# Altium PCB BluePillPcb.PcbDoc (continued)
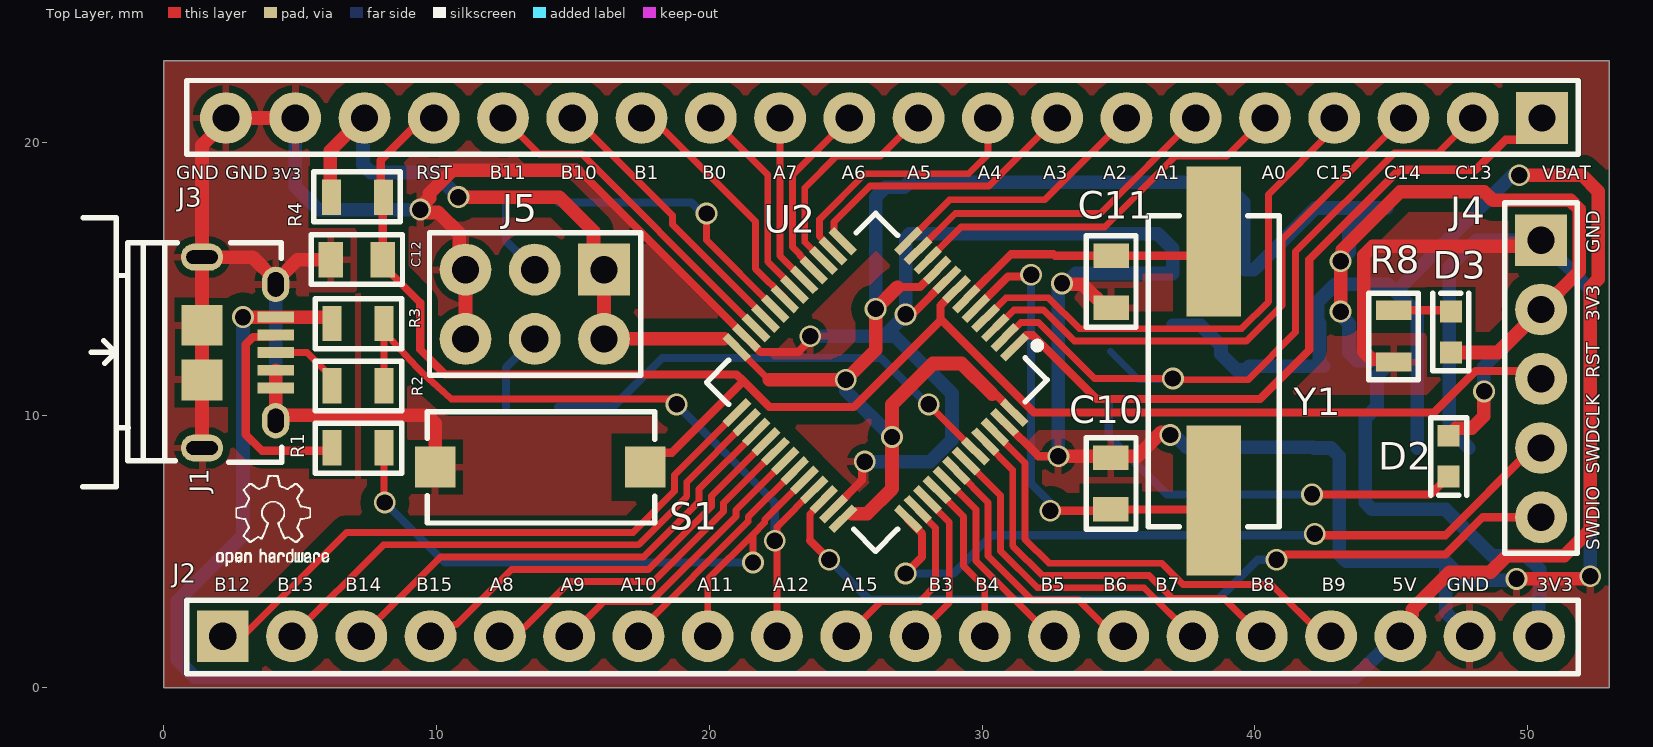
[diagram p0: Top Layer view]
## Part data (continued)
J5: "HARWIN - M20-9980345 - Board-To-Board Connector, Vertical, 2.54 mm, 6 Contacts, Header, M20 Series, Through Hole, 2 Rows", Color=Black, Contact Resistance=25mR, Current Rating=3A, Insulation Resistance=10GR, Manufacturer=Harwin, Manufacturer Part Number=M20-9980345, Max Operating Temperature=105°C, Min Operating Temperature=-40°C, Package Quantity=1000, Supplier Part Number 1=952-2120-ND, Category="Headers and Wire Housings", ComponentLink1Description=https://datasheet.ciiva.com/6789/91635-6789923.pdf?src-supplier=Newark, ComponentLink1URL=https://datasheet.ciiva.com/6789/91635-6789923.pdf?src-supplier=Newark, ComponentLink2Description=https://datasheet.ciiva.com/11746/0900766b80da602b-11746662.pdf?src-supplier=RSComponents, ComponentLink2URL=https://datasheet.ciiva.com/11746/0900766b80da602b-11746662.pdf?src-supplier=RSComponents, ComponentLink3Description=https://datasheet.ciiva.com/26852/getdatasheetpartid-420465-26852189.pdf?src-supplier=Verical, ComponentLink3URL=https://datasheet.ciiva.com/26852/getdatasheetpartid-420465-26852189.pdf?src-supplier=Verical, ComponentLink4Description=https://datasheet.ciiva.com/6830/m20-998-6830775.pdf?src-supplier=Digi-Key, ComponentLink4URL=https://datasheet.ciiva.com/6830/m20-998-6830775.pdf?src-supplier=Digi-Key, ComponentLink5Description=https://datasheet.ciiva.com/8046/112195-8046904.pdf?src-supplier=Element14, ComponentLink5URL=https://datasheet.ciiva.com/8046/112195-8046904.pdf?src-supplier=Element14, Connector Type="Male Pin", Contact Material=Brass,Bronze, Contact Mating Length=0.24inch, Contact Plating=Gold, Contact Type="Male Pin", Depth=5.08mm, Gender=Male, Height=0.125inch, Housing Color=Black, Housing Material=Nylon, Insulation Material=Polyester, Length=7.62mm, Max Current Rating=3A, Mount="Through Hole", Number of Contacts=6, Number of Positions=6, Number of Rows=2, Orientation=Straight, Packaging=Bag, Pitch=2.54mm, Pricing 1="1=0.29000, 10=0.27600, 100=0.19300, 500=0.16544, 1000=0.13786, 5000=0.11817, 10000=0.11029 (USD)", Radiation Hardening=No, REACH SVHC="No SVHC", RoHS=Yes, RoHS Compliant=Yes, Row Spacing=0.1inch, Series=M20, Stock 1=3339, Supplier 1=Digi-Key, Termination=Solder, Weight=0.125lb, Width=0.25inch
R1 R2: library part R0805_20OHM, "RES SMD 20 OHM 0.1% 1/8W 0805", Case Code (Imperial)=0805, Case Code (Metric)=2012, Manufacturer=Yageo, Manufacturer Part Number=RT0805BRD0720RL, Max Operating Temperature=125°C, Max Power Dissipation=125mW, Min Operating Temperature=-55°C, Package Quantity=5000, Resistance=20R, Resistor Type="Thin Film", Supplier Part Number 1=YAG4856CT-ND, Temperature Coefficient=25ppm/°C, Tolerance=0.1%, Voltage Rating=150V, Case/Package=0805, Category="Chip SMD Resistors", ComponentLink1Description=https://datasheet.ciiva.com/2584/pyu-rt-1-to-0-05-rohs-l-5-2584837.pdf?src-supplier=Digi-Key, ComponentLink1URL=https://datasheet.ciiva.com/2584/pyu-rt-1-to-0-05-rohs-l-5-2584837.pdf?src-supplier=Digi-Key, ComponentLink2Description=https://datasheet.ciiva.com/12703/pyu-rt-1-to-0-05-rohs-l-4-12703895.pdf?src-supplier=Mouser, ComponentLink2URL=https://datasheet.ciiva.com/12703/pyu-rt-1-to-0-05-rohs-l-4-12703895.pdf?src-supplier=Mouser, Height=0.024inch, Lead Free="Lead Free", Length=0.079inch, Number of Terminations=2, Packaging="Tape and Reel", Power Rating=125mW, Pricing 1="1=0.36000, 10=0.25900, 100=0.10350, 1000=0.05102, 2500=0.04726 (USD)", RoHS=Yes, RoHS Compliant=Yes, Series=RT, Stock 1=12923, Supplier 1=Digi-Key, Termination=SMD/SMT, Voltage Rating (DC)=150V, Width=0.049inch
R3: library part R0805_2K2, "Res Thick Film 0805 2.2K Ohm 5% 0.125W(1/8W) ±100ppm/C Epoxy Pad SMD T/R", Case Code (Imperial)=0805, Case Code (Metric)=2012, Manufacturer=Yageo, Manufacturer Part Number=RC0805JR-072K2L, Max Operating Temperature=155°C, Max Power Dissipation=125mW, Min Operating Temperature=-55°C, Resistance=2.2kR, Resistance Tolerance=5%, Resistor Type="Thick Film", Supplier Part Number 1=311-2.2KARCT-ND, Temperature Coefficient=100ppm/°C, Voltage Rating=150V, Case/Package=0805, Category="Chip SMD Resistors", ComponentLink1Description=https://datasheet.ciiva.com/12667/rc0805-12667397.pdf?src-supplier=Mouser, ComponentLink1URL=https://datasheet.ciiva.com/12667/rc0805-12667397.pdf?src-supplier=Mouser, ComponentLink2Description=https://datasheet.ciiva.com/15190/getdatasheetpartid-251869-15190044.pdf?src-supplier=Verical, ComponentLink2URL=https://datasheet.ciiva.com/15190/getdatasheetpartid-251869-15190044.pdf?src-supplier=Verical, ComponentLink3Description=https://datasheet.ciiva.com/7941/442941-7941935.pdf?src-supplier=Element14, ComponentLink3URL=https://datasheet.ciiva.com/7941/442941-7941935.pdf?src-supplier=Element14, Construction=Rectangular, Contact Plating=Tin,Lead,Matte, Depth=1.25mm, Features="Moisture Resistant", Lead Free="Lead Free", Length=2mm, Military Standard=Not, Number of Terminations=2, Packaging="Tape and Reel", Power Rating=125mW, Pricing 1="1=0.10000, 10=0.03600, 100=0.01450, 1000=0.00652, 2500=0.00566 (USD)", Radiation Hardening=No, REACH SVHC=Unknown, RoHS=Yes, RoHS Compliant=Yes, Series=RC, Size Code=0805, Stock 1=35990, Supplier 1=Digi-Key, Termination=SMD/SMT, Tolerance=5%
R4 R7 R8: library part R0805_10K, "Res Thick Film 0805 10K Ohm 1% 0.5W(1/2W) ±200ppm/C Pad SMD Automotive T/R", Case Code (Imperial)=0805, Case Code (Metric)=2012, Manufacturer=Yageo, Manufacturer Part Number=SR0805FR-4710KL, Max Operating Temperature=155°C, Max Power Dissipation=500mW, Min Operating Temperature=-55°C, Resistance=10kR, Resistor Type="Thick Film", Supplier Part Number 1=YAG5846CT-ND, Temperature Coefficient=200ppm/°C, Tolerance=1%, Case/Package=0805, Category="Chip SMD Resistors", ComponentLink1Description=http://www.yageo.com/documents/recent/PYu-SR_D_F%20tol_RoHS_L_3.pdf?src-supplier=Digi-Key, ComponentLink1URL=http://www.yageo.com/documents/recent/PYu-SR_D_F%20tol_RoHS_L_3.pdf?src-supplier=Digi-Key, Features="Automotive AEC-Q200", Number of Terminations=2, Packaging="Tape and Reel", Pricing 1="1=0.71000, 10=0.52600, 100=0.30630, 1000=0.17176, 2500=0.16582 (USD)", RoHS=Yes, RoHS Compliant=Yes, Stock 1=6672, Supplier 1=Digi-Key
R5 R6: library part R0805_100K, Manufacturer=Yageo, Manufacturer Part Number=AC0805FR-7W100KL, Supplier Part Number 1=13-AC0805FR-7W100KLCT-ND, Category=Resistors, Pricing 1="1=0.10000, 10=0.08400, 100=0.03240, 1000=0.01424, 2500=0.01230 (USD)", RoHS=Yes, RoHS Compliant=Yes, Stock 1=2889, Supplier 1=Digi-Key
S1: library part "Switch Reset", Manufacturer="ITT C&K", Supplier Part Number 1=7113405, Manufacturer Part Number=PTS636SMG25JSMTRLFS, Pricing 1="3000=0.09210, 6000=0.07530, 9000=0.07460, 15000=0.07370 (USD)", RoHS=No, Supplier 1="Future Electronics"
U1: "LDO VOLTAGE REGULATOR, 3.3V, 0.8A, SOT-223-4; Input Voltage Min:2.6V; Input Voltage Max:15V; Output Current:800mA; Dropout Voltage Vdo:1.2V; LDO Regulator Case Style:SOT-223; No. of Pins:4; Operating Temperature Min:0°C ;RoHS Compliant: Yes", Case/Package=SOT-223, Current Rating=800mA, Dropout Voltage=1.2V, Manufacturer="TI National Semiconductor", Manufacturer Part Number=LM1117MP-3.3/NOPB, Max Input Voltage=15V, Max Operating Temperature=125°C, Min Operating Temperature=0°C, Nominal Output Voltage=3.3V, Output Voltage Accuracy=1%, Package Quantity=1000, Quiescent Current=10mA, Supplier Part Number 1=LM1117MP-3.3/NOPBCT-ND, Accuracy=1%, Category="Voltage Regulators - Linear", Height=1.6mm, Lead Free="Lead Free", Length=6.5mm, Max Output Current=800mA, Min Current Limit=800mA, Mount="Surface Mount", Number of Outputs=1, Number of Pins=4, Number of Regulators=1, Output Current=800mA, Output Type=Fixed, Output Voltage=3.3V, Packaging="Tape and Reel", Polarity=Positive, Pricing 1="1=1.17000, 10=1.04400, 25=0.99120, 100=0.81430, 250=0.76120, 500=0.67268 (USD)", Radiation Hardening=No, REACH SVHC="No SVHC", RoHS=Yes, Stock 1=42495, Supplier 1=Digi-Key, Width=3.56mm
U2: "STMICROELECTRONICS - STM32F103C8T6 - ARM MCU, Motor Control, STM32 Family STM32F1 Series Microcontrollers, ARM Cortex-M3, 32bit, 72 MHz", Case/Package=LQFP, Frequency=72MHz, Manufacturer=STMicroelectronics, Max Operating Temperature=85°C, Max Power Dissipation=363mW, Max Supply Voltage=3.6V, Min Operating Temperature=-40°C, Min Supply Voltage=2V, Package Quantity=250, Supplier Part Number 1=59M2182, Address Bus Width=32b, Category=Microcontrollers, ComponentLink1Description=https://datasheet.ciiva.com/15122/getdatasheetpartid-69880-15122076.pdf?src-supplier=Verical, ComponentLink1URL=https://datasheet.ciiva.com/15122/getdatasheetpartid-69880-15122076.pdf?src-supplier=Verical, ComponentLink2Description=https://datasheet.ciiva.com/26816/stm32f103c8t6-26816902.pdf?src-supplier=IIIC, ComponentLink2URL=https://datasheet.ciiva.com/26816/stm32f103c8t6-26816902.pdf?src-supplier=IIIC, ComponentLink3Description=https://datasheet.ciiva.com/16210/cd00161566-16210248.pdf?src-supplier=Future+Electronics, ComponentLink3URL=https://datasheet.ciiva.com/16210/cd00161566-16210248.pdf?src-supplier=Future+Electronics, ComponentLink4Description=https://datasheet.ciiva.com/14100/pustm-arm-microcont-stm32f103-en-14100508.pdf?src-supplier=Distrelec, ComponentLink4URL=https://datasheet.ciiva.com/14100/pustm-arm-microcont-stm32f103-en-14100508.pdf?src-supplier=Distrelec, ComponentLink5Description=https://datasheet.ciiva.com/8054/1730126-8054942.pdf?src-supplier=Element14, ComponentLink5URL=https://datasheet.ciiva.com/8054/1730126-8054942.pdf?src-supplier=Element14, ComponentLink6Description=https://datasheet.ciiva.com/48687/001075658-da-01-en-mcu-64kb-mem-stm32f103c8t6-lqfp-48-stm-48687589.pdf?src-supplier=Conrad, ComponentLink6URL=https://datasheet.ciiva.com/48687/001075658-da-01-en-mcu-64kb-mem-stm32f103c8t6-lqfp-48-stm-48687589.pdf?src-supplier=Conrad, Core Architecture=ARM, Data Bus Width=32b, Density=64KB, Height=1.45mm, Interface=I2C,SPI,USB,CAN,IrDA,UART,USART,LIN, Lead Free="Lead Free", Length=7mm, Manufacturer Part Number=STM32F103C8T6, Max Frequency=72MHz, Memory Size=64KB, Memory Type=FLASH, Number of ADC Channels=10, Number of Bits=32, Number of I2C Channels=2, Number of I/Os=37, Number of Pins=48, Number of Programmable I/O=48, Number of PWM Channels=1, Number of SPI Channels=2, Number of Timers/Counters=4, Oscillator Type=Internal, Packaging=Tray, Peripherals="POR,PWM,WDT,DMA,Temp Sensor,I2C", Pricing 1="1=6.33000, 10=5.39000, 25=5.16000, 50=4.93000, 100=4.70000, 250=4.46000 (USD)", Radiation Hardening=No, RAM Size=20KB, REACH SVHC="No SVHC", RoHS=Yes, Supplier 1=Newark, Termination=SMD/SMT, Watchdog Timer=Yes, Width=7.2mm
Y1: "Crystal 8MHz ±30ppm (Tol) ±50ppm (Stability) 18pF FUND 60Ohm 2-Pin HC-49/USX SMD T/R", ESR (Equivalent Series Resistance)=60R, Frequency=8MHz, Frequency Stability=50ppm, Frequency Tolerance=30ppm, Load Capacitance=18pF, Manufacturer="ECS International", Manufacturer Part Number=ECS-80-18-5PX-TR, Max Operating Temperature=70°C, Min Operating Temperature=-10°C, Package Quantity=1000, Supplier Part Number 1=XC1271CT-ND, Category=Crystals, ComponentLink1Description=https://datasheet.ciiva.com/852/csm-7x-852380.pdf?src-supplier=Digi-Key, ComponentLink1URL=https://datasheet.ciiva.com/852/csm-7x-852380.pdf?src-supplier=Digi-Key, ComponentLink2Description=https://datasheet.ciiva.com/852/csm-7x-852381.pdf?src-supplier=Digi-Key, ComponentLink2URL=https://datasheet.ciiva.com/852/csm-7x-852381.pdf?src-supplier=Digi-Key, ComponentLink3Description=https://datasheet.ciiva.com/852/csm-7x-852382.pdf?src-supplier=Digi-Key, ComponentLink3URL=https://datasheet.ciiva.com/852/csm-7x-852382.pdf?src-supplier=Digi-Key, Height=0.169inch, Lead Free="Lead Free", Length=0.449inch, Mount="Surface Mount", Packaging="Tape and Reel", Pricing 1="1=0.45000, 10=0.37500, 50=0.33760, 100=0.30000, 500=0.28500 (USD)", RoHS=Yes, RoHS Compliant=Yes, Series=CSM-7X, Stock 1=9598, Supplier 1=Digi-Key, Termination=SMD/SMT, Tolerance=30ppm, Width=4.8mm

## Via types
v1: diameter 0.8, hole 0.6, Top Layer to Bottom Layer, 32 vias

## Nets (pads, with @x,y where several pads share a name; then routed paths per layer and width w, separated by ;. In a path a pad name is that pad's centre, name@x,y a point inside that pad or via, vN(x,y) a via of type N, cw(c..) or ccw(c..) an arc to the next point about the centre after c; other vN are vias at no path point)
3V3: C1.2 C2.2 C3.2 C4.2 C5.2 C6.2 C7.2 D1.A D2.A D3.A J2.20 J3.18 J4.2 J5.1 J5.6 R4.1 U1.2 U1.4 U2.9 U2.24 U2.36 U2.48 | length 121.4
  Top Layer w0.25: U2.24 22.194,11.3
  Top Layer w0.3: 26.9,14.7 27.732,14.7 U2.9 ; 30.376,10.776 30.496,10.776 U2.48
  Top Layer w0.5: R4.1@6.05,17.979 6.1,18.029 6.1,19.7 7.3,20.9 J3.18 ; v1(10.8,18) 14.5,18 15.753,16.747 15.753,15.727 J5.1 J5.6 U2.24@20.553,12.8 ; 22.194,11.3 v1(25,11.3) 26.1,12.4 v1(26.1,13.9) 26.9,14.7 ; U2.36@25.222,6.386 25.786,6.386 26.7,7.3 v1(26.7,9.203) 26.7,10.4 28.2,11.9 29.251,11.9 30.376,10.776 ; v1(43.15,13.8) v1(43.15,15.65) ; v1@43.223,15.723 43.207,15.738 43.207,16.069 45.338,18.2 48.42,18.2 48.742,17.878 51.578,17.878 51.9,17.556 51.9,15.284 50.5,13.884 J4.2 48.92,12.3 D3.A ; D2.A 47.375,9.525 47.961,9.525 48.4,9.964 48.4,10.865 v1(48.41,10.875)
  Bottom Layer w0.5: J3.18 7.3,20.845 7.3,19.193 7.593,18.9 9.9,18.9 v1(10.8,18) ; v1(25,11.3) 25,10.903 v1(26.7,9.203) ; v1(26.1,13.9) 26.1,18 26.463,18.363 27.154,18.363 C6.2 C5.2 C1.2 C7.2 38.85,18.55 39.6,17.8 39.6,15.394 D1.A 39.969,15.34 42.229,17.6 U1.4@44.284,17.6 ; v1(43.15,13.8) 43.15,13.669 43.459,13.36 43.459,12.293 43.751,12 44.634,12 U1.2 44.484,11.45 44.484,10.317 44.05,9.883 C2.2 44.05,6.8 C4.2 C3.2 48.7,4.85 49.952,4.85 50.45,4.352 50.45,3.448 50.42,3.418 J2.20 ; v1(43.15,15.65) 43.15,15.681 43.459,15.989 43.459,16.775 U1.4@44.284,17.6 ; U1.4 U1.4@44.284,17.6 ; v1(48.41,10.875) 48.4,10.885 48.4,11.78 J4.2
5V: C8.2 C9.2 D1.K J1.1 J2.18 R3.2 U1.3 | length 111.7
  Top Layer w0.5: v1(2.9,13.6) J1.1 5.944,13.6 6.169,13.375 R3.2 ; J2.18 45.34,2.279 45.772,2.711 45.772,2.872 47.15,4.25 48.648,4.25 49.248,4.85 51.35,4.85 52.3,5.8 52.3,14.694 52.6,14.994 52.6,18.207 52.007,18.8 v1(49.7,18.8)
  Bottom Layer w0.5: v1(2.9,13.6) 2.9,5.6 0.5,3.2 0.5,1.024 1.124,0.4 43.7,0.4 45.2,1.9 J2.18 ; C8.2 38.014,13.3 38.764,12.55 38.764,12.235 39.339,11.66 D1.K 39.794,11.8 U1.3 42.375,11.959 42.375,13.373 42.3,13.448 42.3,14.152 42.948,14.8 44.9,14.8 45.954,13.746 C9.2 ; 45.175,14.525 49.45,18.8 v1(49.7,18.8)
BOOT0: R6.1 U2.44 | length 17.5
  Top Layer w0.25: v1(28.044,10.4) 29.73,8.714 29.73,8.679 U2.44
  Bottom Layer w0.25: v1@28,10.4 v1(28.044,10.4)
  Bottom Layer w0.3: R6.1@14.45,10.3 16.475,10.3 18.275,12.1 26.3,12.1 v1@28,10.4
BOOT1: R5.1 U2.20 | length 10.2
  Top Layer w0.25: v1(19.9,17.4) 19.9,16.422 U2.20
  Bottom Layer w0.25: v1@19.751,17.4 v1(19.9,17.4)
  Bottom Layer w0.3: R5.1@14.45,17.8 19.351,17.8 v1@19.751,17.4
GND: C1.1 C2.1 C3.1 C4.1 C5.1 C6.1 C7.1 C8.1 C9.1 C10.1 C11.1 C12.1 J1.4 J1.5 J1.6 J1.7 J1.8 J1.9 J1.10 J1.11 J2.19 J3.19 J3.20 J4.1 J5.3 J5.4 R8.1 S1.1 U1.1 U2.8 U2.23 U2.35 U2.47 | length 175
  Top Layer w0.3: 15.148,18.947 15.254,18.947 U2.23 21.884,12.317 23.283,12.317 23.283,12.348 23.619,12.684 v1@23.619,12.9 ; U2.35 25.604,7.617 25.604,8.204 v1(25.7,8.3) ; v1(27.2,13.7) 27.296,13.796 27.535,13.796 U2.8 ; U2.47 32.065,8.5 v1(32.8,8.5)
  Top Layer w0.5: J1.9 J1.11 J1.10 J1.8 ; J1.4 J1.5 J1.7 4.3,10 5.619,10 5.632,9.987 8.605,9.987 8.618,10 9.657,10 9.95,9.707 S1.1 ; J1.6 J1.6@4.1,14.9 ; J3.19 J3.20 2.275,20.776 1.4,19.901 J1.8 ; C12.1 4.9,15.7 J1.6@4.1,14.9 ; J5.4 J5.3 10.835,15.565 10.835,16.665 10.064,17.436 9.503,17.436 v1(9.398,17.541) 9.398,17.622 9.74,17.965 9.74,18.142 10.58,18.982 15.113,18.982 15.148,18.947 ; v1@23.619,12.9 v1(23.7,12.9) ; v1(32.8,8.5) 35.7,8.5 36.584,9.384 36.588,9.38 36.795,9.38 v1(36.9,9.275) ; v1(32.935,14.835) 32.97,14.8 33.696,14.8 34.546,13.95 C11.1 ; R8.1 45,12.05 44.293,12.05 44,12.343 44,15.872 44.328,16.2 50.28,16.2 J4.1 ; v1(49.6,4) 52.2,4 v1(52.3,4.1) ; J1.8 3.25,15.8 4.1,14.95 J1.6@4.1,14.9
  Bottom Layer w0.5: J1.7 J1.6 ; J3.19 4.815,18.385 5.659,17.541 v1(9.398,17.541) ; v1(23.7,12.9) 26.4,12.9 ; v1(25.7,8.3) 28.1,8.3 28.9,9.1 28.9,10.8 26.8,12.9 26.4,12.9 ; v1(32.8,8.5) 32.8,14.619 32.935,14.754 v1(32.935,14.835) ; v1@32.9,14.8 33.049,14.8 33.449,15.2 C8.1 37,16.1 36.45,16.65 C7.1 C1.1 C5.1 C6.1 27.2,16.509 v1(27.2,13.7) 26.4,12.9 ; v1(36.9,9.275) 37.049,9.275 37.499,8.825 C2.1 42.175,8.8 42.8,8.8 43.1,8.5 43.1,4.9 43.35,4.65 C4.1 C3.1 ; C9.1 47.134,9.521 U1.1 47.134,15.434 48.12,16.42 J4.1 52.3,14.62 v1(52.3,4.1) ; J2.19 47,2.78 C3.1 ; v1(49.6,4) 49.55,3.95 47.7,3.95 C3.1
NetD2_K: D2.K R7.2 | length 14.8
  Top Layer w0.3: v1(42.1,7.1) 46.45,7.1 D2.K
  Bottom Layer w0.3: R7.2 34.646,9.238 36.784,7.1 v1(42.1,7.1)
NetD3_K: D3.K R8.2 | length 2.1
  Top Layer w0.3: R8.2 47.15,13.85 D3.K
NetJ1_2: J1.2 R1.2 | length 7.9
  Top Layer w0.3: J1.2@4.025,12.875 3.275,12.875 3,12.6 3,9.3 3.6,8.7 6.061,8.7 R1.2
NetJ1_3: J1.3 R2.2 | length 2.9
  Top Layer w0.25: J1.3@4.175,12.225 J1.3 5.255,12.3 6.169,11.387 R2.2
NetJ5_2: J5.2 R5.2 | length 2.9
  Bottom Layer w0.3: R5.2@12.55,17.8 12.55,16.39 J5.2
NetJ5_5: J5.5 R6.2 | length 2.9
  Bottom Layer w0.3: R6.2@12.55,10.3 12.55,11.75 J5.5
OSCIN: C10.2 U2.5 Y1.2 | length 17.6
  Top Layer w0.3: U2.5 30.95,15.089 31.734,15.089 v1(31.8,15.155) ; v1(32.5,6.5) 34.671,6.5 C10.2 38.181,6.55 Y1.2
  Bottom Layer w0.3: v1(31.8,15.155) 31.8,7.5 32.5,6.8 v1(32.5,6.5)
OSCOUT: C11.2 U2.6 Y1.1 | length 10
  Top Layer w0.3: U2.6 31.059,15.905 32.625,15.905 32.68,15.85 37.981,15.85 Y1.1
PA0: J3.5 U2.10 | length 14.5
  Top Layer w0.25: U2.10 29.225,16.9 34.5,16.9 37.1,19.5 38.975,19.5 J3.5
PA1: J3.6 U2.11 | length 12.2
  Top Layer w0.25: U2.11 29.018,17.4 34.335,17.4 J3.6
PA2: J3.7 U2.12 | length 9.9
  Top Layer w0.25: U2.12 28.811,17.9 32.295,17.9 J3.7
PA3: J3.8 U2.13 | length 10.6
  Top Layer w0.25: U2.13 24.575,16.697 24.575,17.086 25.895,18.407 30.262,18.407 J3.8
PA4: J3.9 U2.14 | length 9.9
  Top Layer w0.25: U2.14 24.539,16.061 24.038,16.563 24.038,17.186 25.709,18.857 29.507,18.857 30.215,19.565 J3.9
PA5: J3.10 U2.15 | length 8.2
  Top Layer w0.25: U2.15 23.5,16.358 23.5,18.336 24.668,19.504 26.279,19.504 J3.10
PA6: J3.11 U2.16 | length 6.8
  Top Layer w0.25: U2.16 23.832,15.354 23.326,15.86 23.326,15.895 23.05,16.172 23.05,18.815 J3.11
PA7: J3.12 U2.17 | length 6.3
  Top Layer w0.25: J3.12 22.595,15.849 U2.17
PA8: J2.5 U2.29 | length 13.1
  Top Layer w0.25: J2.5 12.636,2.216 13.216,2.216 14.9,3.9 17.955,3.9 20.525,6.47 20.525,6.78 U2.29
PA9: J2.6 U2.30 | length 10.7
  Top Layer w0.25: J2.6 16.135,3.175 17.867,3.175 20.975,6.283 20.975,6.523 U2.30
PA10: J2.7 U2.31 | length 8.5
  Top Layer w0.25: J2.7 17.4,2.072 21.425,6.097 21.425,6.266 U2.31
PA11: J2.8 R1.1 U2.32 | length 24.7
  Top Layer w0.25: R1.1 8.069,6.831 v1(8.1,6.8) ; J2.8 19.94,3.976 21.6,5.636 ; v1(21.6,4.6) 21.6,5.636 ; U2.32 22.03,6.164 22.03,6.066 21.6,5.636
  Bottom Layer w0.3: v1(8.1,6.8) 10.3,4.6 v1(21.6,4.6)
PA12: J2.9 R2.1 R3.1 U2.33 | length 26.6
  Top Layer w0.25: R2.1 R3.1@8.069,13.066 ; R3.1 R3.1@8.069,13.066 ; v1(18.8,10.4) 18.8,10.454 18.654,10.6 10.638,10.6 10.535,10.6 9.557,11.483 cw(c12.391,14.622) 9.288,11.749 R3.1@8.069,13.066 ; J2.9 22.48,5.907 U2.33 U2.33@23.844,7.306
  Bottom Layer w0.3: v1(18.8,10.4) 22.4,6.8 v1(22.4,5.4)
PA15: J2.10 U2.38 | length 7.1
  Top Layer w0.25: J2.10 26.295,3.175 27.725,3.175 28.3,3.75 28.3,5.866 27.644,6.522 U2.38
PB0: J3.13 U2.18 | length 7.6
  Top Layer w0.25: J3.13 22.145,18.81 22.145,15.627 23.125,14.647 U2.18
PB1: J3.14 U2.19 | length 9
  Top Layer w0.25: J3.14 17.9,20.9 21.695,17.105 21.695,15.37 22.772,14.293 U2.19
PB3: J2.11 U2.39 | length 5.9
  Top Layer w0.25: J2.11 28.8,3.14 28.8,6.073 27.997,6.876 U2.39
PB4: J2.12 U2.40 | length 6.1
  Top Layer w0.25: U2.40 29.325,6.29 29.325,4.468 30.1,3.693 J2.12
PB5: J2.13 U2.41 | length 7.4
  Top Layer w0.25: U2.41 29.775,6.547 29.775,4.654 32.529,1.9 J2.13
PB6: J2.14 U2.42 | length 9.8
  Top Layer w0.25: U2.42 30.225,6.804 30.225,4.841 31.841,3.225 33.541,3.225 34.866,1.9 J2.14
PB7: J2.15 U2.43 | length 12.2
  Top Layer w0.25: U2.43 30.675,7.062 30.675,5.027 32.027,3.675 35.945,3.675 J2.15
PB8: J2.16 U2.45 | length 14.7
  Top Layer w0.25: U2.45 30.118,8.997 31.125,7.99 31.125,5.213 32.213,4.125 36.131,4.125 36.978,3.278 38.882,3.278 J2.16
PB9: J2.17 U2.46 | length 17.1
  Top Layer w0.25: U2.46 30.472,9.351 31.575,8.248 31.575,5.45 32.45,4.575 36.585,4.575 37.365,3.794 40.606,3.794 42.5,1.9 J2.17
PB10: J3.15 U2.21 | length 10.3
  Top Layer w0.25: J3.15 15.076,20.9 18.655,17.321 18.655,16.995 22.065,13.586 U2.21
PB11: J3.16 U2.22 | length 12.5
  Top Layer w0.25: J3.16 13.76,19.575 15.333,19.575 21.004,13.904 U2.22
PB12: J2.1 U2.25 | length 22.6
  Top Layer w0.25: J2.1 2.26,2 2.997,2 6.697,5.7 17.21,5.7 18.725,7.215 18.725,7.808 U2.25
PB13: J2.2 U2.26 | length 20.2
  Top Layer w0.25: J2.2 8.05,5.25 17.396,5.25 19.175,7.029 19.175,7.551 U2.26
PB14: J2.3 U2.27 | length 17.8
  Top Layer w0.25: J2.3 10.14,4.8 17.582,4.8 19.625,6.843 19.625,7.294 U2.27
PB15: J2.4 U2.28 | length 15.5
  Top Layer w0.25: J2.4 10.226,1.9 10.653,2.327 10.727,2.327 12.75,4.35 17.769,4.35 20.075,6.656 20.075,7.037 U2.28
PC13: J3.2 R7.1 U2.2 | length 26.7
  Top Layer w0.25: U2.2 30.87,12.853 31.424,13.406 32.066,13.406 34.122,11.35 v1(37,11.35) ; v1@37,11.3 39.754,11.3 41.5,13.046 41.5,16 45.125,19.625 46.72,19.625 J3.2
  Bottom Layer w0.25: R7.1@34.7,12.35 35.75,11.3 36.95,11.3 v1(37,11.35)
PC14: J3.3 U2.3 | length 20.5
  Top Layer w0.25: U2.3 30.517,13.206 31.166,13.856 32.252,13.856 33.383,12.725 39.702,12.725 41,14.023 41,16.445 J3.3
PC15: J3.4 U2.4 | length 19.3
  Top Layer w0.25: U2.4 30.874,14.306 32.438,14.306 33.57,13.175 39.515,13.175 40.5,14.16 40.5,18.1 42.915,20.515 J3.4
RESET: C12.2 J3.17 J4.3 R4.2 S1.2 U2.7 | length 61.6
  Top Layer w0.3: J3.17 9.5,20.9 7.95,19.35 7.95,17.979 8.025,17.904 8.025,15.5 9.4,14.125 9.4,12.406 10.306,11.5 21,11.5 21.25,11.25 22.2,10.3 25.3,10.3 28.425,13.425 ; S1.2 18.179,8.629 18.629,8.629 21.146,11.146 ; U2.7@29.032,14.585 28.473,14.027 28.473,13.527 31.9,10.1 46.575,10.1 48.1,11.625 50.215,11.625 J4.3
SWDCLK: J4.4 U2.37 | length 28.2
  Top Layer w0.3: v1(27.2,4.2) 27.8,4.8 27.8,5.659 27.29,6.169 U2.37 U2.37@27.608,5.886 ; v1(42.2,5.65) 42.25,5.6 46.993,5.6 50.193,8.8 J4.4
  Bottom Layer w0.3: v1(27.2,4.2) 28.95,4.2 30.35,5.6 42.15,5.6 v1(42.2,5.65)
SWDIO: J4.5 U2.34 | length 30.6
  Top Layer w0.25: 23.695,5.405 23.695,6.38 U2.34@24.197,6.881
  Top Layer w0.3: 23.695,5.405 v1(24.4,4.7) ; v1(40.8,4.7) 40.935,4.7 41.135,4.9 47,4.9 48.36,6.26 J4.5
  Bottom Layer w0.3: v1(24.4,4.7) 25.85,3.25 38.65,3.25 40.1,4.7 v1(40.8,4.7)
VBAT: J3.1 U2.1 | length 26.7
  Top Layer w0.3: U2.1 31.507,12.817 31.62,12.931 31.869,12.931 34.2,10.6 40.2,10.6 42,12.4 42,15.71 45.29,19 48.1,19 49.2,20.1 49.735,20.1 J3.1

## Polygon pours and split planes (outlines as drawn)
GND on Top Layer "GND_L01_P000" (solid, remove dead copper, pour order 0): 0,0 0,23 53,23 53,0
GND on Bottom Layer "GND_L02_P001" (solid, remove dead copper, pour order 1): 0,0 0,23 53,23 53,0

## Silkscreen, mask and mechanical layers (free items; w line width, h text height)
Top Overlay:
  drawing of 13 lines, arcs and shapes, not listed
  text "GND" at 0.45,18.65 h0.5
  text "GND" at 2.25,18.65 h0.5
  text "3V3" at 3.95,18.65 h0.4
  text "RST" at 9.25,18.65 h0.5
  text "B11" at 11.95,18.65 h0.5
  text "B10" at 14.55,18.65 h0.5
  text "B1" at 17.25,18.65 h0.5
  text "B0" at 19.75,18.65 h0.5
  text "A7" at 22.35,18.65 h0.5
  text "A6" at 24.85,18.65 h0.5
  text "A5" at 27.25,18.65 h0.5
  text "A4" at 29.85,18.65 h0.5
  text "A3" at 32.25,18.65 h0.5
  text "A2" at 34.45,18.65 h0.5
  text "A1" at 36.35,18.65 h0.5
  text "A0" at 40.25,18.65 h0.5
  text "C15" at 42.25,18.65 h0.5
  text "C14" at 44.75,18.65 h0.5
  text "C13" at 47.35,18.65 h0.5
  text "VBAT" at 50.55,18.65 h0.5
  text "GND" at 52.65,15.95 h0.5 r90
  text "3V3" at 52.65,13.45 h0.5 r90
  text "RST" at 52.65,11.35 h0.5 r90
  text "SWDCLK" at 52.65,7.85 h0.5 r90
  text "SWDIO" at 52.65,5.05 h0.5 r90
  text "B12" at 1.85,3.55 h0.5
  text "B13" at 4.15,3.55 h0.5
  text "B14" at 6.65,3.55 h0.5
  text "B15" at 9.25,3.55 h0.5
  text "A8" at 11.95,3.55 h0.5
  text "A9" at 14.55,3.55 h0.5
  text "A10" at 16.75,3.55 h0.5
  text "A11" at 19.55,3.55 h0.5
  text "A12" at 22.35,3.55 h0.5
  text "A15" at 24.85,3.55 h0.5
  text "B3" at 28.05,3.55 h0.5
  text "B4" at 29.75,3.55 h0.5
  text "B5" at 32.15,3.55 h0.5
  text "B6" at 34.45,3.55 h0.5
  text "B7" at 36.35,3.55 h0.5
  text "B8" at 39.85,3.55 h0.5
  text "B9" at 42.45,3.55 h0.5
  text "5V" at 45.05,3.55 h0.5
  text "GND" at 47.05,3.55 h0.5
  text "3V3" at 50.35,3.55 h0.5